# KiCad board beaglebone-ai-rev-a2.kicad_pcb (continued)
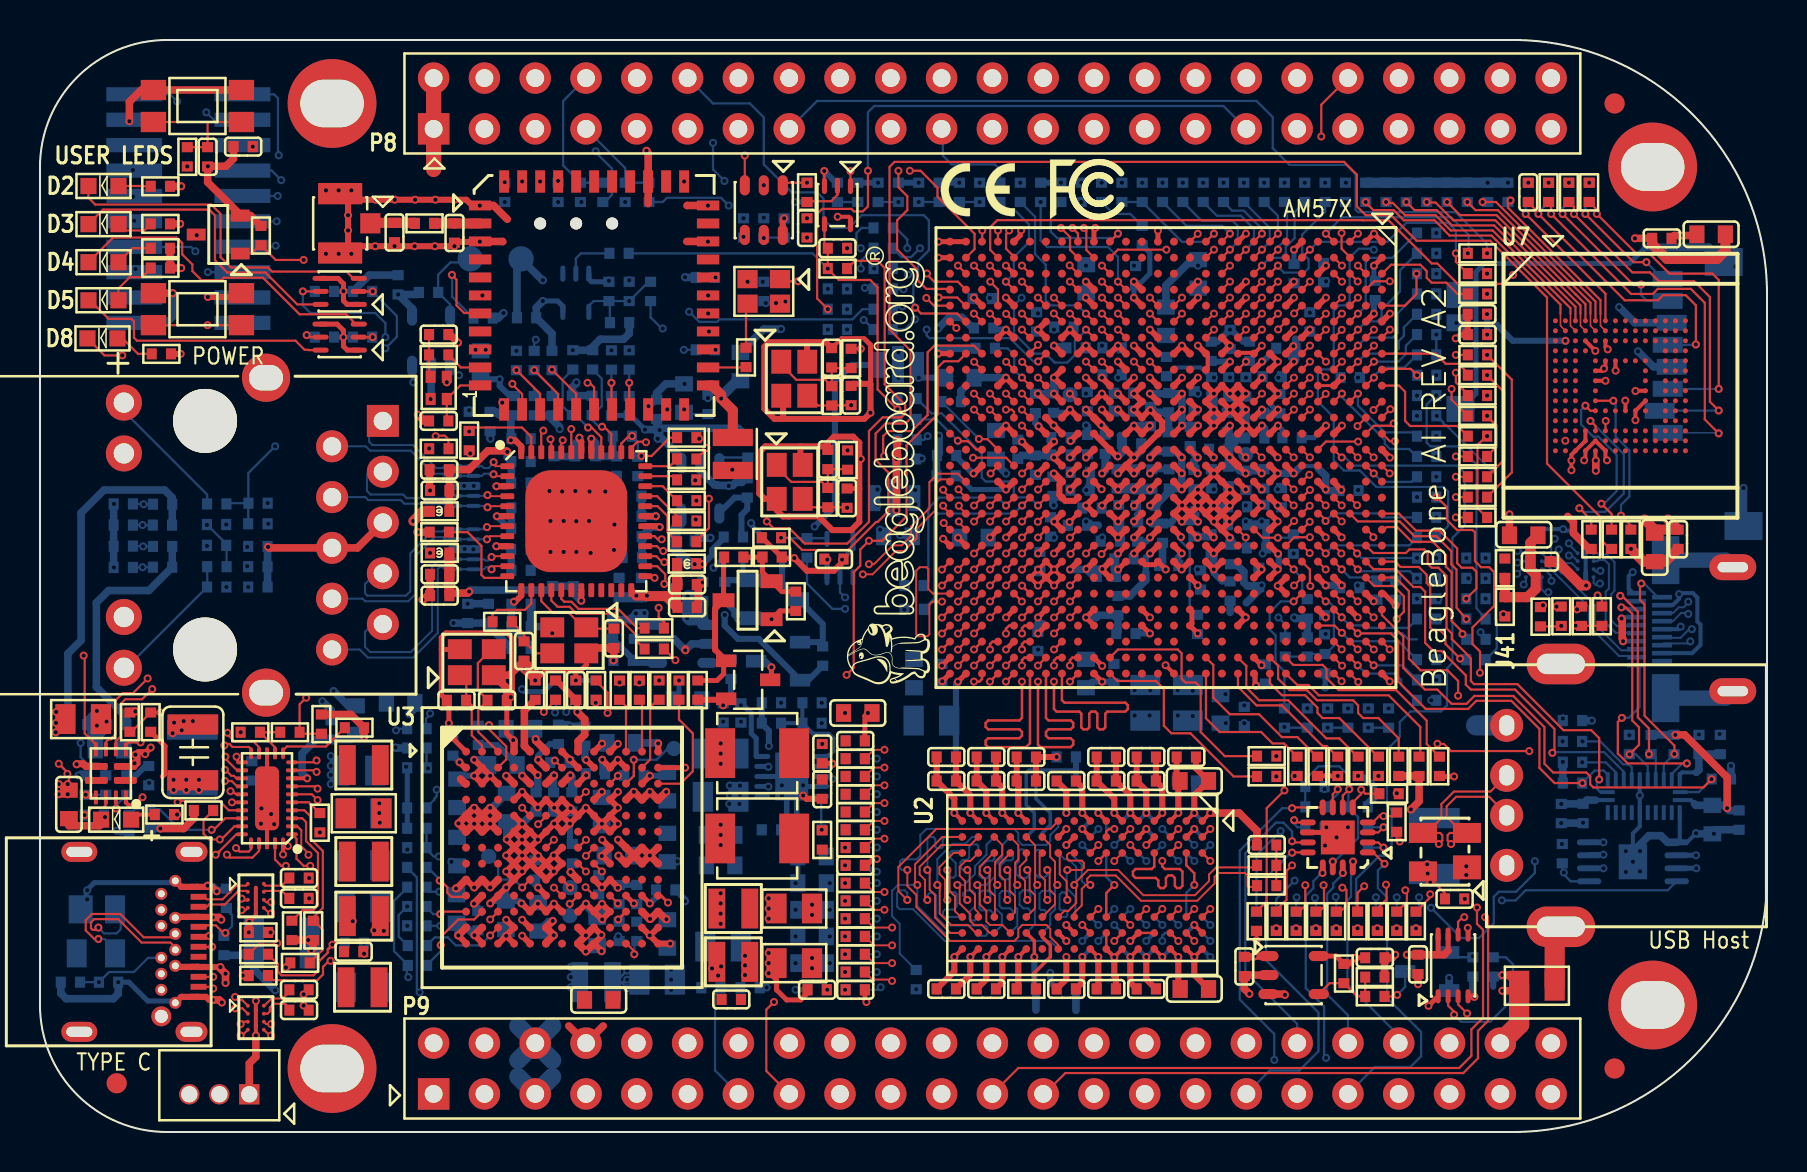
[diagram p0: board, top side]
## Library data of the parts (continued)
R79 = -: Embest PN: 301010048; Manufacturer: YAGEO; Manufacturer Part Number: RC0402FR-0730KL; PN: 301010048; Part Type: Thick Film Resistor; Rating: 1%; Temperature: -55C to 155C
R80 R122 R127 R190 = -: Embest PN: 1003001100071; Manufacturer: YAGEO; Manufacturer Part Number: RC0402FR-0710KL; PN: 301010047; Part Type: Thick Film Resistor; Rating: 1%; Temperature: -55C to 155C
R83 = -: Description: RES,100R,+/-5%,1/16W,SMD0402; Manufacturer: YAGEO; Manufacturer P/N: RC0402JR-07100RL; Rating: 5%
R84 = -: Description: RES,10R,+/-1%,1/16W,SMD0402; Manufacturer: YAGEO; Manufacturer P/N: RC0402FR-0710RL; Rating: 1%
R92-R97 R199 R200 R202 = -: Description: RES,22R,+/-5%,1/16W,SMD0402; Manufacturer: YAGEO; Manufacturer P/N: RC0402JR-0722RL; Rating: 5%
R106 R109-R111 R114-R117 R333 R334 R336 R337 R581-R585 R607-R610 = -: Description: RES,33R,+/-5%,1/16W,SMD0402; Manufacturer: YAGEO; Manufacturer P/N: RC0402JR-0733RL; Rating: 5%
R119 R133 R708 = -: Embest PN: 1003001100120; Manufacturer: YAGEO; Manufacturer Part Number: RC0402FR-07100KL; PN: 301010456; Part Type: Thick Film Resistor; Rating: 1%; Temperature: -55C to 155C
R120 = -: Embest PN: 301011904; Manufacturer: Panasonic; Manufacturer Part Number: ERJ-2RKF2742X; PN: 301011904; Part Type: Thick Film Resistor; Rating: 1%; Temperature: -55C to 155C
R134 = -: Description: RES,1K5,+/-5%,1/16W,SMD0402; Manufacturer: YAGEO; Manufacturer P/N: RC0402JR-071K5L; Rating: 5%
R135 = -: Embest PN: 301010518; Manufacturer: YAGEO; Manufacturer Part Number: RC0402FR-07120KL; PN: 301010518; Part Type: Thick Film Resistor; Rating: 1%; Temperature: -55C to 155C
R138 R144 R153 R463 = -: Description: RES,1K,+/-1%,1/16W,SMD0402; Manufacturer: YAGEO; Manufacturer P/N: RC0402FR-071KL; Rating: 1%
R141 R158 R165 R170 R171 = -: ASSY: NI; Manufacturer: YAGEO; Manufacturer Part Number: RC0402FR-075K76L; PN: 301013075; Part Type: Thick Film Resistor; Rating: 1%; Temperature: -55C to 155C
R147 R150 R151 R588 R590-R594 R670-R679 R701 = -: Description: RES,1K,+/-5%,1/16W,SMD0402; Manufacturer: YAGEO; Manufacturer P/N: RC0402JR-071KL; Rating: 5%
R154 R163 R166 R181 R187 = -: ASSY: NI; Embest PN: 301010856; Manufacturer: YAGEO; Manufacturer Part Number: RC0402FR-072K49L; PN: 301010856; Part Type: Thick Film Resistor; Rating: 1%; Temperature: -55C to 155C
R167 = -: Manufacturer: YAGEO; Manufacturer Part Number: RC0402FR-075K76L; PN: 301013075; Part Type: Thick Film Resistor; Rating: 1%; Temperature: -55C to 155C
R172 = -: Embest PN: 301010856; Manufacturer: YAGEO; Manufacturer Part Number: RC0402FR-072K49L; PN: 301010856; Part Type: Thick Film Resistor; Rating: 1%; Temperature: -55C to 155C
R180 R189 R192-R194 = -: Description: RES,4K7,+/-5%,1/16W,SMD0402; Manufacturer: YAGEO; Manufacturer P/N: RC0402JR-074K7L; Rating: 5%
R294 = -: Description: RES,100R,+/-1%,1/16W,SMD0402,ALT_CODE:15052701; Manufacturer: YAGEO; Manufacturer P/N: RC0402FR-07100RL; Rating: 1%
R533 R534 = -: Description: RES,5K1,+/-1%,1/16W,SMD0402; Manufacturer: YAGEO; Manufacturer P/N: RC0402FR-075K1L; Rating: 1%
R589 R595 = -: Description: RES,220R,+/-5%,1/16W,SMD0402; Manufacturer: YAGEO; Manufacturer P/N: RC0402JR-07220RL; Rating: 5%
R640 R699 = -: Description: RES,0R1,+/-5%,1/8W,SMD0805; Manufacturer: Yageo; Rating: 5%
R656 R659 = -: Description: RES,100K,+/-1%,1/16W,SMD0402; Manufacturer: YAGEO; Manufacturer P/N: RC0402FR-07100KL; Rating: 1%
R657 = -: Description: RES,80K6,+/-1%,1/16W,SMD0402; Manufacturer: YAGEO; Manufacturer P/N: RC0402FR-0780K6L; Rating: 1%
R658 = -: Description: RES,52K3,+/-1%,1/16W,SMD0402; Manufacturer: YAGEO; Manufacturer P/N: RC0402FR-0752K3L; Rating: 1%
S1 S3 = -: Description: Switch,Tactile,300gf+/-50gf,black housing,black plunger,4.6*2.8*1.9MM,SMD; Manufacturer: C&K; Manufacturer P/N: KMR231GLFS
T1 T2 = -: Description: Mosfet,N-Channel,Si1902CDL-T1-GE3,20V,385mohm,1.5A,SOT-363,SMD; Manufacturer: VISHAY; Manufacturer P/N: Si1902CDL-T1-GE3
TP2-TP4 TP7 TP8 TP11 = -: Description: Test point,DIA 30mil
U1 = -: Description: IC Sink and Source DDR Termination Regulator VSON-10 SMD; Manufacturer: TI; Manufacturer P/N: TPS51200DRCRG4
U2 U11 = -: Description: IC,DDR3L 4 GB (256M x 16) DDR3/3L-1600 Mbps DRAM - FBGA-96 Tray; Manufacturer: KINGSTON; Manufacturer P/N: D2516EC4BXGGB
U3 = -: Description: IC TPS659037 Power Management Unit (PMU) for Processor NFBGA-169 SMD; Manufacturer: TI; Manufacturer P/N: TPS6590377ZWSR
U4 = -: Description: IC ARM Dual Cortex-A15 Microprocessor FCBGA(ABC)-760 SMD JEDEC TRAY; Manufacturer: TI
U5 = -: CLASS: IC; Embest PN: 310070571; Manufacturer: TI; PN: 310070571; Part Type: HDMI Companion Chip; Temperature: -40C to 85C
U6 = -: Description: IC,SINGLE 2-INPUT POSITIVE-AND GATE,SN74LVC1G08DCKR,SOT-353,SMD; Manufacturer: TI
U7 = -: Description: IC,Memory,16GB,EMMC,EMMC16G-TB28-Z20U,FBGA153,SMD; Manufacturer: Kingston; Manufacturer P/N: EMMC16G-TB28-Z20U
U8 = -: Description: IC,SINGLE BUFFER/DRIVER WITH OPEN-DRAIN OUTPUT,SN74LVC1G07DCKR,SC-70,SMD; Manufacturer: TI
U9 = -: Embest PN: 310090051; Manufacturer: Microchip; PN: 310090051; Part Type: EEPROM; Temperature: -40C to 85C
U10 = -: Description: IC,Low Quiescent Current, Programmable-Delay Supervisory Circuit,TPS3808G33DBVT,SOT-23,SMD; Manufacturer: TI; Manufacturer P/N: TPS3808G33DBVT
U12 = -: Comment: TPS2121RUXR; Manufacturer: TI; Manufacturer Part Number: TPS2121RUXR; PN: 310032001; Part Type: Power Mux; Temperature: -40C to 125C
U13 = -: Manufacturer: TI; PN: 310011318; Part Type: Type-C Controller; Temperature: 0C to 70C
U14 = -: Manufacturer: TI; PN: 310011319; Part Type: ETH PHY; Temperature: 0C to 70C
U15 U16 = -: Manufacturer: TI; PN: 310032000; Part Type: LDO; Temperature: -40C to 125C
U17 U18 = -: Manufacturer: TI; PN: 304060295; Part Type: ESD; Temperature: -40C to 125C
U37 = -: Description: IEEE 802.11 a/b/g/n/ac WIFI with Bluetooth 4.2 combo SDIO and UART Stamp Module,AW-CM256SM,SMD; Manufacturer: AzureWave
U40 = -: Description: IC,300mA Low Power Low Dropout RF Linear Regulators,SGM2032-ADJYN5G/TR,SOT23-5,SMD; Manufacturer: TI
U46 = -: Description: IC,Dual Buffer and Line Driver,SN74LVC2G241DCUT,US8,SMD; Manufacturer: TI
U48 = -: Description: IC,Current-Limited Power-distribution Switches,TPS2051BDGN,8-MSOP-PowerPad,SMD; Manufacturer: TI
U78 = -: Description: 12 bit ADC,S-Touch? advanced resistive touchscreen controller with 8-bit GPIO expander; Manufacturer: STMicroelectronics
U88 U89 = -: Description: Common-mode EMI filter for differential channels with integrated ESD protection; Manufacturer: Nexperia USA Inc.
U90 = -: Embest PN: 1002008100087; Manufacturer: TI; PN: 310050079; Part Type: Logic; Temperature: -40C to 125C
U91 U92 = -: Description: EMI filter with integrated ElectroStatic Discharge protection two differential channels,PCMF2HDMI2S,SMD; Manufacturer: Nexperia
X4 = -: Description: XTAL,37.4MHz,12PF 1.6x1.2mm,,X37M400000S002, SMT TR; Manufacturer: AEL; Manufacturer P/N: X37M400000S002; Field6: 1
X6 = -: Description: Crystal,5ZAA16384102TFA5Q3,16.384MHz,+/-20PPM,10PF,2520-4 pads,SMD; Manufacturer: INTERQUIP; Manufacturer P/N: 5ZAA16384102TFA5Q3; Rating: 20PPM
X7 = -: Description: Crystal,5ZAA20000181TFA2Q3,20MHz,+/-10PPM,18PF,2520-4 pads,SMD; Manufacturer: INTERQUIP; Manufacturer P/N: 5ZAA20000181TFA2Q3; Rating: 10PPM
X8 = -: Description: Crystal,5ZAA22579182TFA0Q3,22.5792MHz,+/-20PPM,18PF,2520-4 pads,SMD; Manufacturer: INTERQUIP; Manufacturer P/N: 5ZAA22579182TFA0Q3; Rating: 20PPM
X9 = -: Description: Crystal,5ZAA25000202TFA0Q3,25MHz,+/-20PPM,20PF,2520-4 pads,SMD; Manufacturer: INTERQUIP; Manufacturer P/N: 5ZAA25000202TFA0Q3; Rating: 20PPM

## Footprints (pads in the part's own frame, mm; a bottom-side part is the same pattern mirrored in y, then rotated)
ANT3S_26X26
  rect 1.016x1.016 smd: 1(0,1.508)
  rect 1.067x2.21 smd: 2(1.483,0) 3(-1.483,0)
BGA96G
  round 0.381 smd: A1(3.2,-6) A2(2.4,-6) A3(1.6,-6) A7(-1.6,-6) A8(-2.4,-6) A9(-3.2,-6) B1(3.2,-5.2) B2(2.4,-5.2) B3(1.6,-5.2) B7(-1.6,-5.2) B8(-2.4,-5.2) B9(-3.2,-5.2) C1(3.2,-4.4) C2(2.4,-4.4) C3(1.6,-4.4) C7(-1.6,-4.4) C8(-2.4,-4.4) C9(-3.2,-4.4) D1(3.2,-3.6) D2(2.4,-3.6) D3(1.6,-3.6) D7(-1.6,-3.6) D8(-2.4,-3.6) D9(-3.2,-3.6) E1(3.2,-2.8) E2(2.4,-2.8) E3(1.6,-2.8) E7(-1.6,-2.8) E8(-2.4,-2.8) E9(-3.2,-2.8) F1(3.2,-2) F2(2.4,-2) F3(1.6,-2) F7(-1.6,-2) F8(-2.4,-2) F9(-3.2,-2) G1(3.2,-1.2) G2(2.4,-1.2) G3(1.6,-1.2) G7(-1.6,-1.2) G8(-2.4,-1.2) G9(-3.2,-1.2) H1(3.2,-0.4) H2(2.4,-0.4) H3(1.6,-0.4) H7(-1.6,-0.4) H8(-2.4,-0.4) H9(-3.2,-0.4) J1(3.2,0.4) J2(2.4,0.4) J3(1.6,0.4) J7(-1.6,0.4) J8(-2.4,0.4) J9(-3.2,0.4) K1(3.2,1.2) K2(2.4,1.2) K3(1.6,1.2) K7(-1.6,1.2) K8(-2.4,1.2) K9(-3.2,1.2) L1(3.2,2) L2(2.4,2) L3(1.6,2) L7(-1.6,2) L8(-2.4,2) L9(-3.2,2) M1(3.2,2.8) M2(2.4,2.8) M3(1.6,2.8) M7(-1.6,2.8) M8(-2.4,2.8) M9(-3.2,2.8) N1(3.2,3.6) N2(2.4,3.6) N3(1.6,3.6) N7(-1.6,3.6) N8(-2.4,3.6) N9(-3.2,3.6) P1(3.2,4.4) P2(2.4,4.4) P3(1.6,4.4) P7(-1.6,4.4) P8(-2.4,4.4) P9(-3.2,4.4) R1(3.2,5.2) R2(2.4,5.2) R3(1.6,5.2) R7(-1.6,5.2) R8(-2.4,5.2) R9(-3.2,5.2) T1(3.2,6) T2(2.4,6) T3(1.6,6) T7(-1.6,6) T8(-2.4,6) T9(-3.2,6)
BGA153P5
  round 0.254 smd: A1(-3.25,3.25) A2(-2.75,3.25) A3(-2.25,3.25) A4(-1.75,3.25) A5(-1.25,3.25) A6(-0.75,3.25) A7(-0.25,3.25) A8(0.25,3.25) A9(0.75,3.25) A10(1.25,3.25) A11(1.75,3.25) A12(2.25,3.25) A13(2.75,3.25) A14(3.25,3.25) B1(-3.25,2.75) B2(-2.75,2.75) B3(-2.25,2.75) B4(-1.75,2.75) B5(-1.25,2.75) B6(-0.75,2.75) B7(-0.25,2.75) B8(0.25,2.75) B9(0.75,2.75) B10(1.25,2.75) B11(1.75,2.75) B12(2.25,2.75) B13(2.75,2.75) B14(3.25,2.75) C1(-3.25,2.25) C2(-2.75,2.25) C3(-2.25,2.25) C4(-1.75,2.25) C5(-1.25,2.25) C6(-0.75,2.25) C7(-0.25,2.25) C8(0.25,2.25) C9(0.75,2.25) C10(1.25,2.25) C11(1.75,2.25) C12(2.25,2.25) C13(2.75,2.25) C14(3.25,2.25) D1(-3.25,1.75) D2(-2.75,1.75) D3(-2.25,1.75) D4(-1.75,1.75) D12(2.25,1.75) D13(2.75,1.75) D14(3.25,1.75) E1(-3.25,1.25) E2(-2.75,1.25) E3(-2.25,1.25) E5(-1.25,1.25) E6(-0.75,1.25) E7(-0.25,1.25) E8(0.25,1.25) E9(0.75,1.25) E10(1.25,1.25) E12(2.25,1.25) E13(2.75,1.25) E14(3.25,1.25) F1(-3.25,0.75) F2(-2.75,0.75) F3(-2.25,0.75) F5(-1.25,0.75) F10(1.25,0.75) F12(2.25,0.75) F13(2.75,0.75) F14(3.25,0.75) G1(-3.25,0.25) G2(-2.75,0.25) G3(-2.25,0.25) G5(-1.25,0.25) G10(1.25,0.25) G12(2.25,0.25) G13(2.75,0.25) G14(3.25,0.25) H1(-3.25,-0.25) H2(-2.75,-0.25) H3(-2.25,-0.25) H5(-1.25,-0.25) H10(1.25,-0.25) H12(2.25,-0.25) H13(2.75,-0.25) H14(3.25,-0.25) J1(-3.25,-0.75) J2(-2.75,-0.75) J3(-2.25,-0.75) J5(-1.25,-0.75) J10(1.25,-0.75) J12(2.25,-0.75) J13(2.75,-0.75) J14(3.25,-0.75) K1(-3.25,-1.25) K2(-2.75,-1.25) K3(-2.25,-1.25) K5(-1.25,-1.25) K6(-0.75,-1.25) K7(-0.25,-1.25) K8(0.25,-1.25) K9(0.75,-1.25) K10(1.25,-1.25) K12(2.25,-1.25) K13(2.75,-1.25) K14(3.25,-1.25) L1(-3.25,-1.75) L2(-2.75,-1.75) L3(-2.25,-1.75) L12(2.25,-1.75) L13(2.75,-1.75) L14(3.25,-1.75) M1(-3.25,-2.25) M2(-2.75,-2.25) M3(-2.25,-2.25) M4(-1.75,-2.25) M5(-1.25,-2.25) M6(-0.75,-2.25) M7(-0.25,-2.25) M8(0.25,-2.25) M9(0.75,-2.25) M10(1.25,-2.25) M11(1.75,-2.25) M12(2.25,-2.25) M13(2.75,-2.25) M14(3.25,-2.25) N1(-3.25,-2.75) N2(-2.75,-2.75) N3(-2.25,-2.75) N4(-1.75,-2.75) N5(-1.25,-2.75) N6(-0.75,-2.75) N7(-0.25,-2.75) N8(0.25,-2.75) N9(0.75,-2.75) N10(1.25,-2.75) N11(1.75,-2.75) N12(2.25,-2.75) N13(2.75,-2.75) N14(3.25,-2.75) P1(-3.25,-3.25) P2(-2.75,-3.25) P3(-2.25,-3.25) P4(-1.75,-3.25) P5(-1.25,-3.25) P6(-0.75,-3.25) P7(-0.25,-3.25) P8(0.25,-3.25) P9(0.75,-3.25) P10(1.25,-3.25) P11(1.75,-3.25) P12(2.25,-3.25) P13(2.75,-3.25) P14(3.25,-3.25)
BGA169C80P13X13_1200X1200X140
  round 0.4 smd: A1(-4.8,4.8) A2(-4,4.8) A3(-3.2,4.8) A4(-2.4,4.8) A5(-1.6,4.8) A6(-0.8,4.8) A7(0,4.8) A8(0.8,4.8) A9(1.6,4.8) A10(2.4,4.8) A11(3.2,4.8) A12(4,4.8) A13(4.8,4.8) B1(-4.8,4) B2(-4,4) B3(-3.2,4) B4(-2.4,4) B5(-1.6,4) B6(-0.8,4) B7(0,4) B8(0.8,4) B9(1.6,4) B10(2.4,4) B11(3.2,4) B12(4,4) B13(4.8,4) C1(-4.8,3.2) C2(-4,3.2) C3(-3.2,3.2) C4(-2.4,3.2) C5(-1.6,3.2) C6(-0.8,3.2) C7(0,3.2) C8(0.8,3.2) C9(1.6,3.2) C10(2.4,3.2) C11(3.2,3.2) C12(4,3.2) C13(4.8,3.2) D1(-4.8,2.4) D2(-4,2.4) D3(-3.2,2.4) D4(-2.4,2.4) D5(-1.6,2.4) D6(-0.8,2.4) D7(0,2.4) D8(0.8,2.4) D9(1.6,2.4) D10(2.4,2.4) D11(3.2,2.4) D12(4,2.4) D13(4.8,2.4) E1(-4.8,1.6) E2(-4,1.6) E3(-3.2,1.6) E4(-2.4,1.6) E5(-1.6,1.6) E6(-0.8,1.6) E7(0,1.6) E8(0.8,1.6) E9(1.6,1.6) E10(2.4,1.6) E11(3.2,1.6) E12(4,1.6) E13(4.8,1.6) F1(-4.8,0.8) F2(-4,0.8) F3(-3.2,0.8) F4(-2.4,0.8) F5(-1.6,0.8) F6(-0.8,0.8) F7(0,0.8) F8(0.8,0.8) F9(1.6,0.8) F10(2.4,0.8) F11(3.2,0.8) F12(4,0.8) F13(4.8,0.8) G1(-4.8,0) G2(-4,0) G3(-3.2,0) G4(-2.4,0) G5(-1.6,0) G6(-0.8,0) G7(0,0) G8(0.8,0) G9(1.6,0) G10(2.4,0) G11(3.2,0) G12(4,0) G13(4.8,0) H1(-4.8,-0.8) H2(-4,-0.8) H3(-3.2,-0.8) H4(-2.4,-0.8) H5(-1.6,-0.8) H6(-0.8,-0.8) H7(0,-0.8) H8(0.8,-0.8) H9(1.6,-0.8) H10(2.4,-0.8) H11(3.2,-0.8) H12(4,-0.8) H13(4.8,-0.8) J1(-4.8,-1.6) J2(-4,-1.6) J3(-3.2,-1.6) J4(-2.4,-1.6) J5(-1.6,-1.6) J6(-0.8,-1.6) J7(0,-1.6) J8(0.8,-1.6) J9(1.6,-1.6) J10(2.4,-1.6) J11(3.2,-1.6) J12(4,-1.6) J13(4.8,-1.6) K1(-4.8,-2.4) K2(-4,-2.4) K3(-3.2,-2.4) K4(-2.4,-2.4) K5(-1.6,-2.4) K6(-0.8,-2.4) K7(0,-2.4) K8(0.8,-2.4) K9(1.6,-2.4) K10(2.4,-2.4) K11(3.2,-2.4) K12(4,-2.4) K13(4.8,-2.4) L1(-4.8,-3.2) L2(-4,-3.2) L3(-3.2,-3.2) L4(-2.4,-3.2) L5(-1.6,-3.2) L6(-0.8,-3.2) L7(0,-3.2) L8(0.8,-3.2) L9(1.6,-3.2) L10(2.4,-3.2) L11(3.2,-3.2) L12(4,-3.2) L13(4.8,-3.2) M1(-4.8,-4) M2(-4,-4) M3(-3.2,-4) M4(-2.4,-4) M5(-1.6,-4) M6(-0.8,-4) M7(0,-4) M8(0.8,-4) M9(1.6,-4) M10(2.4,-4) M11(3.2,-4) M12(4,-4) M13(4.8,-4) N1(-4.8,-4.8) N2(-4,-4.8) N3(-3.2,-4.8) N4(-2.4,-4.8) N5(-1.6,-4.8) N6(-0.8,-4.8) N7(0,-4.8) N8(0.8,-4.8) N9(1.6,-4.8) N10(2.4,-4.8) N11(3.2,-4.8) N12(4,-4.8) N13(4.8,-4.8)
BGA760C80P28X28_2300X2300X305
  round 0.4 smd: A1(10.8,-10.8) A2(10,-10.8) A3(9.2,-10.8) A4(8.4,-10.8) A5(7.6,-10.8) A6(6.8,-10.8) A7(6,-10.8) A8(5.2,-10.8) A9(4.4,-10.8) A10(3.6,-10.8) A11(2.8,-10.8) A12(2,-10.8) A13(1.2,-10.8) A14(0.4,-10.8) A15(-0.4,-10.8) A16(-1.2,-10.8) A17(-2,-10.8) A18(-2.8,-10.8) A19(-3.6,-10.8) A20(-4.4,-10.8) A21(-5.2,-10.8) A22(-6,-10.8) A23(-6.8,-10.8) A24(-7.6,-10.8) A25(-8.4,-10.8) A26(-9.2,-10.8) A27(-10,-10.8) A28(-10.8,-10.8) AA1(10.8,5.2) AA2(10,5.2) AA3(9.2,5.2) AA4(8.4,5.2) AA5(7.6,5.2) AA6(6.8,5.2) AA7(6,5.2) AA8(5.2,5.2) AA9(4.4,5.2) AA10(3.6,5.2) AA11(2.8,5.2) AA12(2,5.2) AA13(1.2,5.2) AA14(0.4,5.2) AA15(-0.4,5.2) AA16(-1.2,5.2) AA17(-2,5.2) AA18(-2.8,5.2) AA19(-3.6,5.2) AA20(-4.4,5.2) AA21(-5.2,5.2) AA22(-6,5.2) AA23(-6.8,5.2) AA24(-7.6,5.2) AA25(-8.4,5.2) AA26(-9.2,5.2) AA27(-10,5.2) AA28(-10.8,5.2) AB1(10.8,6) AB2(10,6) AB3(9.2,6) AB4(8.4,6) AB5(7.6,6) AB6(6.8,6) AB7(6,6) AB8(5.2,6) AB9(4.4,6) AB10(3.6,6) AB11(2.8,6) AB12(2,6) AB13(1.2,6) AB14(0.4,6) AB15(-0.4,6) AB16(-1.2,6) AB17(-2,6) AB18(-2.8,6) AB19(-3.6,6) AB20(-4.4,6) AB21(-5.2,6) AB22(-6,6) AB23(-6.8,6) AB24(-7.6,6) AB25(-8.4,6) AB27(-10,6) AB28(-10.8,6) AC1(10.8,6.8) AC2(10,6.8) AC3(9.2,6.8) AC4(8.4,6.8) AC5(7.6,6.8) AC6(6.8,6.8) AC7(6,6.8) AC8(5.2,6.8) AC9(4.4,6.8) AC10(3.6,6.8) AC11(2.8,6.8) AC12(2,6.8) AC13(1.2,6.8) AC14(0.4,6.8) AC15(-0.4,6.8) AC16(-1.2,6.8) AC17(-2,6.8) AC18(-2.8,6.8) AC19(-3.6,6.8) AC20(-4.4,6.8) AC21(-5.2,6.8) AC22(-6,6.8) AC23(-6.8,6.8) AC24(-7.6,6.8) AC25(-8.4,6.8) AC26(-9.2,6.8) AC27(-10,6.8) AC28(-10.8,6.8) AD1(10.8,7.6) AD2(10,7.6) AD3(9.2,7.6) AD4(8.4,7.6) AD5(7.6,7.6) AD6(6.8,7.6) AD7(6,7.6) AD8(5.2,7.6) AD9(4.4,7.6) AD10(3.6,7.6) AD11(2.8,7.6) AD12(2,7.6) AD13(1.2,7.6) AD14(0.4,7.6) AD15(-0.4,7.6) AD16(-1.2,7.6) AD17(-2,7.6) AD18(-2.8,7.6) AD19(-3.6,7.6) AD20(-4.4,7.6) AD21(-5.2,7.6) AD22(-6,7.6) AD23(-6.8,7.6) AD24(-7.6,7.6) AD25(-8.4,7.6) AD26(-9.2,7.6) AD27(-10,7.6) AD28(-10.8,7.6) AE1(10.8,8.4) AE2(10,8.4) AE3(9.2,8.4) AE5(7.6,8.4) AE6(6.8,8.4) AE7(6,8.4) AE8(5.2,8.4) AE9(4.4,8.4) AE10(3.6,8.4) AE11(2.8,8.4) AE12(2,8.4) AE13(1.2,8.4) AE14(0.4,8.4) AE15(-0.4,8.4) AE16(-1.2,8.4) AE17(-2,8.4) AE18(-2.8,8.4) AE19(-3.6,8.4) AE20(-4.4,8.4) AE21(-5.2,8.4) AE22(-6,8.4) AE23(-6.8,8.4) AE24(-7.6,8.4) AE26(-9.2,8.4) AE27(-10,8.4) AE28(-10.8,8.4) AF1(10.8,9.2) AF2(10,9.2) AF3(9.2,9.2) AF4(8.4,9.2) AF5(7.6,9.2) AF6(6.8,9.2) AF8(5.2,9.2) AF9(4.4,9.2) AF11(2.8,9.2) AF12(2,9.2) AF14(0.4,9.2) AF15(-0.4,9.2) AF17(-2,9.2) AF18(-2.8,9.2) AF20(-4.4,9.2) AF21(-5.2,9.2) AF22(-6,9.2) AF23(-6.8,9.2) AF24(-7.6,9.2) AF25(-8.4,9.2) AF26(-9.2,9.2) AF27(-10,9.2) AF28(-10.8,9.2) AG1(10.8,10) AG2(10,10) AG3(9.2,10) AG4(8.4,10) AG5(7.6,10) AG6(6.8,10) AG7(6,10) AG8(5.2,10) AG9(4.4,10) AG10(3.6,10) AG11(2.8,10) AG12(2,10) AG13(1.2,10) AG14(0.4,10) AG15(-0.4,10) AG16(-1.2,10) AG17(-2,10) AG18(-2.8,10) AG19(-3.6,10) AG20(-4.4,10) AG21(-5.2,10) AG22(-6,10) AG23(-6.8,10) AG24(-7.6,10) AG25(-8.4,10) AG26(-9.2,10) AG27(-10,10) AG28(-10.8,10) AH1(10.8,10.8) AH2(10,10.8) AH3(9.2,10.8) AH4(8.4,10.8) AH5(7.6,10.8) AH6(6.8,10.8) AH7(6,10.8) AH8(5.2,10.8) AH9(4.4,10.8) AH10(3.6,10.8) AH11(2.8,10.8) AH12(2,10.8) AH13(1.2,10.8) AH14(0.4,10.8) AH15(-0.4,10.8) AH16(-1.2,10.8) AH17(-2,10.8) AH18(-2.8,10.8) AH19(-3.6,10.8) AH20(-4.4,10.8) AH21(-5.2,10.8) AH22(-6,10.8) AH23(-6.8,10.8) AH24(-7.6,10.8) AH25(-8.4,10.8) AH26(-9.2,10.8) AH27(-10,10.8) AH28(-10.8,10.8) B1(10.8,-10) B2(10,-10) B3(9.2,-10) B4(8.4,-10) B5(7.6,-10) B6(6.8,-10) B7(6,-10) B8(5.2,-10) B9(4.4,-10) B10(3.6,-10) B11(2.8,-10) B12(2,-10) B13(1.2,-10) B14(0.4,-10) B15(-0.4,-10) B16(-1.2,-10) B17(-2,-10) B18(-2.8,-10) B19(-3.6,-10) B20(-4.4,-10) B21(-5.2,-10) B22(-6,-10) B23(-6.8,-10) B24(-7.6,-10) B25(-8.4,-10) B26(-9.2,-10) B27(-10,-10) B28(-10.8,-10) C1(10.8,-9.2) C2(10,-9.2) C3(9.2,-9.2) C4(8.4,-9.2) C5(7.6,-9.2) C6(6.8,-9.2) C7(6,-9.2) C8(5.2,-9.2) C9(4.4,-9.2) C11(2.8,-9.2) C12(2,-9.2) C14(0.4,-9.2) C15(-0.4,-9.2) C17(-2,-9.2) C18(-2.8,-9.2) C20(-4.4,-9.2) C21(-5.2,-9.2) C23(-6.8,-9.2) C24(-7.6,-9.2) C25(-8.4,-9.2) C26(-9.2,-9.2) C27(-10,-9.2) C28(-10.8,-9.2) D1(10.8,-8.4) D2(10,-8.4) D3(9.2,-8.4) D5(7.6,-8.4) D6(6.8,-8.4) D7(6,-8.4) D8(5.2,-8.4) D9(4.4,-8.4) D10(3.6,-8.4) D11(2.8,-8.4) D12(2,-8.4) D13(1.2,-8.4) D14(0.4,-8.4) D15(-0.4,-8.4) D16(-1.2,-8.4) D17(-2,-8.4) D18(-2.8,-8.4) D19(-3.6,-8.4) D20(-4.4,-8.4) D21(-5.2,-8.4) D22(-6,-8.4) D23(-6.8,-8.4) D24(-7.6,-8.4) D26(-9.2,-8.4) D27(-10,-8.4) D28(-10.8,-8.4) E1(10.8,-7.6) E2(10,-7.6) E3(9.2,-7.6) E4(8.4,-7.6) E5(7.6,-7.6) E6(6.8,-7.6) E7(6,-7.6) E8(5.2,-7.6) E9(4.4,-7.6) E10(3.6,-7.6) E11(2.8,-7.6) E12(2,-7.6) E13(1.2,-7.6) E14(0.4,-7.6) E15(-0.4,-7.6) E16(-1.2,-7.6) E17(-2,-7.6) E18(-2.8,-7.6) E19(-3.6,-7.6) E20(-4.4,-7.6) E21(-5.2,-7.6) E22(-6,-7.6) E23(-6.8,-7.6) E24(-7.6,-7.6) E25(-8.4,-7.6) E26(-9.2,-7.6) E27(-10,-7.6) E28(-10.8,-7.6) F1(10.8,-6.8) F2(10,-6.8) F3(9.2,-6.8) F4(8.4,-6.8) F5(7.6,-6.8) F6(6.8,-6.8) F7(6,-6.8) F8(5.2,-6.8) F9(4.4,-6.8) F10(3.6,-6.8) F11(2.8,-6.8) F12(2,-6.8) F13(1.2,-6.8) F14(0.4,-6.8) F15(-0.4,-6.8) F16(-1.2,-6.8) F17(-2,-6.8) F18(-2.8,-6.8) F19(-3.6,-6.8) F20(-4.4,-6.8) F21(-5.2,-6.8) F22(-6,-6.8) F23(-6.8,-6.8) F24(-7.6,-6.8) F25(-8.4,-6.8) F26(-9.2,-6.8) F27(-10,-6.8) F28(-10.8,-6.8) G1(10.8,-6) G2(10,-6) G4(8.4,-6) G5(7.6,-6) G6(6.8,-6) G7(6,-6) G8(5.2,-6) G9(4.4,-6) G10(3.6,-6) G11(2.8,-6) G12(2,-6) G13(1.2,-6) G14(0.4,-6) G15(-0.4,-6) G16(-1.2,-6) G17(-2,-6) G18(-2.8,-6) G19(-3.6,-6) G20(-4.4,-6) G21(-5.2,-6) G22(-6,-6) G23(-6.8,-6) G24(-7.6,-6) G25(-8.4,-6) G26(-9.2,-6) G27(-10,-6) G28(-10.8,-6) H1(10.8,-5.2) H2(10,-5.2) H3(9.2,-5.2) H4(8.4,-5.2) H5(7.6,-5.2) H6(6.8,-5.2) H7(6,-5.2) H8(5.2,-5.2) H9(4.4,-5.2) H10(3.6,-5.2) H11(2.8,-5.2) H12(2,-5.2) H13(1.2,-5.2) H14(0.4,-5.2) H15(-0.4,-5.2) H16(-1.2,-5.2) H17(-2,-5.2) H18(-2.8,-5.2) H19(-3.6,-5.2) H20(-4.4,-5.2) H21(-5.2,-5.2) H22(-6,-5.2) H23(-6.8,-5.2) H24(-7.6,-5.2) H25(-8.4,-5.2) H26(-9.2,-5.2) H27(-10,-5.2) H28(-10.8,-5.2) J1(10.8,-4.4) J2(10,-4.4) J3(9.2,-4.4) J4(8.4,-4.4) J5(7.6,-4.4) J6(6.8,-4.4) J7(6,-4.4) J8(5.2,-4.4) J9(4.4,-4.4) J10(3.6,-4.4) J11(2.8,-4.4) J12(2,-4.4) J13(1.2,-4.4) J14(0.4,-4.4) J15(-0.4,-4.4) J16(-1.2,-4.4) J17(-2,-4.4) J18(-2.8,-4.4) J19(-3.6,-4.4) J20(-4.4,-4.4) J21(-5.2,-4.4) J22(-6,-4.4) J23(-6.8,-4.4) J24(-7.6,-4.4) J25(-8.4,-4.4) J26(-9.2,-4.4) J27(-10,-4.4) J28(-10.8,-4.4) K1(10.8,-3.6) K2(10,-3.6) K4(8.4,-3.6) K5(7.6,-3.6) K6(6.8,-3.6) K7(6,-3.6) K8(5.2,-3.6) K9(4.4,-3.6) K10(3.6,-3.6) K11(2.8,-3.6) K12(2,-3.6) K13(1.2,-3.6) K14(0.4,-3.6) K15(-0.4,-3.6) K16(-1.2,-3.6) K17(-2,-3.6) K18(-2.8,-3.6) K19(-3.6,-3.6) K20(-4.4,-3.6) K21(-5.2,-3.6) K22(-6,-3.6) K23(-6.8,-3.6) K24(-7.6,-3.6) K25(-8.4,-3.6) K27(-10,-3.6) K28(-10.8,-3.6) L1(10.8,-2.8) L2(10,-2.8) L3(9.2,-2.8) L4(8.4,-2.8) L5(7.6,-2.8) L6(6.8,-2.8) L7(6,-2.8) L8(5.2,-2.8) L9(4.4,-2.8) L10(3.6,-2.8) L11(2.8,-2.8) L12(2,-2.8) L13(1.2,-2.8) L14(0.4,-2.8) L15(-0.4,-2.8) L16(-1.2,-2.8) L17(-2,-2.8) L18(-2.8,-2.8) L19(-3.6,-2.8) L20(-4.4,-2.8) L21(-5.2,-2.8) L22(-6,-2.8) L23(-6.8,-2.8) L24(-7.6,-2.8) L25(-8.4,-2.8) L26(-9.2,-2.8) L27(-10,-2.8) L28(-10.8,-2.8) M1(10.8,-2) M2(10,-2) M3(9.2,-2) M4(8.4,-2) M5(7.6,-2) M6(6.8,-2) M7(6,-2) M8(5.2,-2) M9(4.4,-2) M10(3.6,-2) M11(2.8,-2) M12(2,-2) M13(1.2,-2) M14(0.4,-2) M15(-0.4,-2) M16(-1.2,-2) M17(-2,-2) M18(-2.8,-2) M19(-3.6,-2) M20(-4.4,-2) M21(-5.2,-2) M22(-6,-2) M23(-6.8,-2) M24(-7.6,-2) M25(-8.4,-2) M26(-9.2,-2) M27(-10,-2) M28(-10.8,-2) N1(10.8,-1.2) N2(10,-1.2) N4(8.4,-1.2) N5(7.6,-1.2) N6(6.8,-1.2) N7(6,-1.2) N8(5.2,-1.2) N9(4.4,-1.2) N10(3.6,-1.2) N11(2.8,-1.2) N12(2,-1.2) N13(1.2,-1.2) N14(0.4,-1.2) N15(-0.4,-1.2) N16(-1.2,-1.2) N17(-2,-1.2) N18(-2.8,-1.2) N19(-3.6,-1.2) N20(-4.4,-1.2) N21(-5.2,-1.2) N22(-6,-1.2) N23(-6.8,-1.2) N24(-7.6,-1.2) N25(-8.4,-1.2) N27(-10,-1.2) N28(-10.8,-1.2) P1(10.8,-0.4) P2(10,-0.4) P3(9.2,-0.4) P4(8.4,-0.4) P5(7.6,-0.4) P6(6.8,-0.4) P7(6,-0.4) P8(5.2,-0.4) P9(4.4,-0.4) P10(3.6,-0.4) P11(2.8,-0.4) P12(2,-0.4) P13(1.2,-0.4) P14(0.4,-0.4) P15(-0.4,-0.4) P16(-1.2,-0.4) P17(-2,-0.4) P18(-2.8,-0.4) P19(-3.6,-0.4) P20(-4.4,-0.4) P21(-5.2,-0.4) P22(-6,-0.4) P23(-6.8,-0.4) P24(-7.6,-0.4) P25(-8.4,-0.4) P26(-9.2,-0.4) P27(-10,-0.4) P28(-10.8,-0.4) R1(10.8,0.4) R2(10,0.4) R3(9.2,0.4) R4(8.4,0.4) R5(7.6,0.4) R6(6.8,0.4) R7(6,0.4) R8(5.2,0.4) R9(4.4,0.4) R10(3.6,0.4) R11(2.8,0.4) R12(2,0.4) R13(1.2,0.4) R14(0.4,0.4) R15(-0.4,0.4) R16(-1.2,0.4) R17(-2,0.4) R18(-2.8,0.4) R19(-3.6,0.4) R20(-4.4,0.4) R21(-5.2,0.4) R22(-6,0.4) R23(-6.8,0.4) R24(-7.6,0.4) R25(-8.4,0.4) R26(-9.2,0.4) R27(-10,0.4) R28(-10.8,0.4) T1(10.8,1.2) T2(10,1.2) T4(8.4,1.2) T5(7.6,1.2) T6(6.8,1.2) T7(6,1.2) T8(5.2,1.2) T9(4.4,1.2) T10(3.6,1.2) T11(2.8,1.2) T12(2,1.2) T13(1.2,1.2) T14(0.4,1.2) T15(-0.4,1.2) T16(-1.2,1.2) T17(-2,1.2) T18(-2.8,1.2) T19(-3.6,1.2) T20(-4.4,1.2) T21(-5.2,1.2) T22(-6,1.2) T23(-6.8,1.2) T24(-7.6,1.2) T25(-8.4,1.2) T27(-10,1.2) T28(-10.8,1.2) U1(10.8,2) U2(10,2) U3(9.2,2) U4(8.4,2) U5(7.6,2) U6(6.8,2) U7(6,2) U8(5.2,2) U9(4.4,2) U10(3.6,2) U11(2.8,2) U12(2,2) U13(1.2,2) U14(0.4,2) U15(-0.4,2) U16(-1.2,2) U17(-2,2) U18(-2.8,2) U19(-3.6,2) U20(-4.4,2) U21(-5.2,2) U22(-6,2) U23(-6.8,2) U24(-7.6,2) U25(-8.4,2) U26(-9.2,2) U27(-10,2) U28(-10.8,2) V1(10.8,2.8) V2(10,2.8) V3(9.2,2.8) V4(8.4,2.8) V5(7.6,2.8) V6(6.8,2.8) V7(6,2.8) V8(5.2,2.8) V9(4.4,2.8) V10(3.6,2.8) V11(2.8,2.8) V12(2,2.8) V13(1.2,2.8) V14(0.4,2.8) V15(-0.4,2.8) V16(-1.2,2.8) V17(-2,2.8) V18(-2.8,2.8) V19(-3.6,2.8) V20(-4.4,2.8) V21(-5.2,2.8) V22(-6,2.8) V23(-6.8,2.8) V24(-7.6,2.8) V25(-8.4,2.8) V26(-9.2,2.8) V27(-10,2.8) V28(-10.8,2.8) W1(10.8,3.6) W2(10,3.6) W4(8.4,3.6) W5(7.6,3.6) W6(6.8,3.6) W7(6,3.6) W8(5.2,3.6) W9(4.4,3.6) W10(3.6,3.6) W11(2.8,3.6) W12(2,3.6) W13(1.2,3.6) W14(0.4,3.6) W15(-0.4,3.6) W16(-1.2,3.6) W17(-2,3.6) W18(-2.8,3.6) W19(-3.6,3.6) W20(-4.4,3.6) W21(-5.2,3.6) W22(-6,3.6) W23(-6.8,3.6) W24(-7.6,3.6) W25(-8.4,3.6) W27(-10,3.6) W28(-10.8,3.6) Y1(10.8,4.4) Y2(10,4.4) Y3(9.2,4.4) Y4(8.4,4.4) Y5(7.6,4.4) Y6(6.8,4.4) Y7(6,4.4) Y8(5.2,4.4) Y9(4.4,4.4) Y10(3.6,4.4) Y11(2.8,4.4) Y12(2,4.4) Y13(1.2,4.4) Y14(0.4,4.4) Y15(-0.4,4.4) Y16(-1.2,4.4) Y17(-2,4.4) Y18(-2.8,4.4) Y19(-3.6,4.4) Y20(-4.4,4.4) Y21(-5.2,4.4) Y22(-6,4.4) Y23(-6.8,4.4) Y24(-7.6,4.4) Y25(-8.4,4.4) Y26(-9.2,4.4) Y27(-10,4.4) Y28(-10.8,4.4)
C0402
  rect 0.508x0.559 smd: 1(0.483,0) 2(-0.483,0)
C0402#2
  rect 0.508x0.559 smd: 1(-0.483,0) 2(0.483,0)
C0603
  rect 0.762x0.889 smd: 1(-0.711,0) 2(0.711,0)
C0603#2
  rect 0.762x0.889 smd: 1(0.711,0) 2(-0.711,0)
C0805
  rect 1.016x1.499 smd: 1(-0.889,0) 2(0.889,0)
C0805#2
  rect 1.016x1.499 smd: 1(0.889,0) 2(-0.889,0)
C1210
  rect 1.016x2.54 smd: 1(1.397,0) 2(-1.397,0)
CON3B35X60
  rect 1.016x1.016 hole 0.813: 1(-1.5,0.45)
  round 1.016 hole 0.813: 2(0,0.45) 3(1.5,0.45)
D0402
  rect 0.508x0.559 smd: 1(0.483,0) 2(-0.483,0)
D0603
  rect 0.813x0.813 smd: 1(-0.75,0) 2(0.75,0)
FD40
  round 1.016 smd: 1(0,0)
FL0805
  rect 0.6x1.3 smd: 1(1,0) 3(-1,0)
  rect 0.6x1.9 smd: 2(0,0)
H2X23MZ
  rect 1.575x1.575 hole 0.889: 1(-27.94,-1.27)
  round 1.575 hole 0.889: 2(-27.94,1.27) 3(-25.4,-1.27) 4(-25.4,1.27) 5(-22.86,-1.27) 6(-22.86,1.27) 7(-20.32,-1.27) 8(-20.32,1.27) 9(-17.78,-1.27) 10(-17.78,1.27) 11(-15.24,-1.27) 12(-15.24,1.27) 13(-12.7,-1.27) 14(-12.7,1.27) 15(-10.16,-1.27) 16(-10.16,1.27) 17(-7.62,-1.27) 18(-7.62,1.27) 19(-5.08,-1.27) 20(-5.08,1.27) 21(-2.54,-1.27) 22(-2.54,1.27) 23(0,-1.27) 24(0,1.27) 25(2.54,-1.27) 26(2.54,1.27) 27(5.08,-1.27) 28(5.08,1.27) 29(7.62,-1.27) 30(7.62,1.27) 31(10.16,-1.27) 32(10.16,1.27) 33(12.7,-1.27) 34(12.7,1.27) 35(15.24,-1.27) 36(15.24,1.27) 37(17.78,-1.27) 38(17.78,1.27) 39(20.32,-1.27) 40(20.32,1.27) 41(22.86,-1.27) 42(22.86,1.27) 43(25.4,-1.27) 44(25.4,1.27) 45(27.94,-1.27) 46(27.94,1.27)